# Allegro board FPGA.brd (continued)
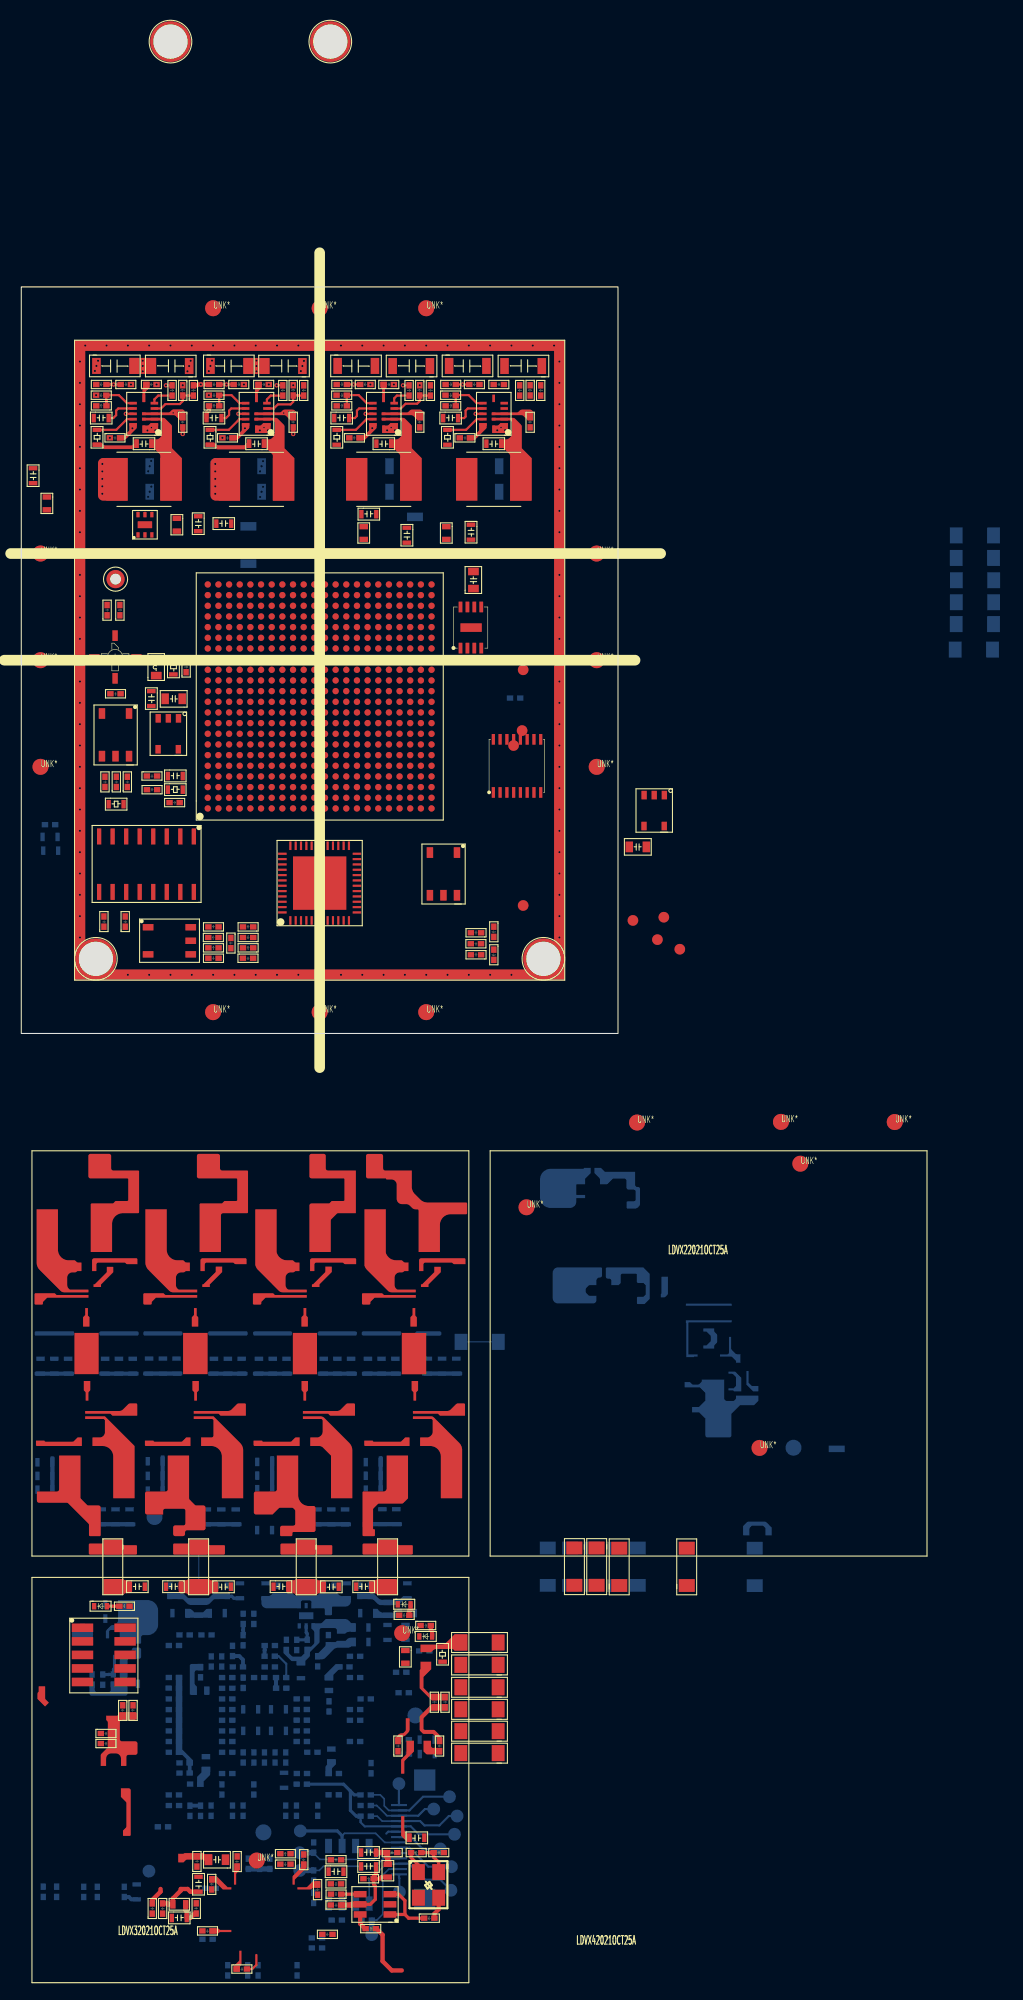
[diagram p0: board, top side]
## Copper pours and planes (outline as drawn; the poured copper is in the pictures) (continued)
Net_45 on PWR-L6: 44.05,-11.05 52.38,-11.05 53.53,-12.2 53.53,-13.75 53.9,-14.13 53.9,-15.9 54.33,-16.32 55.11,-16.32 55.98,-17.18 55.98,-20.08 53.37,-22.69 53.37,-29.51 52.36,-30.51 52.36,-32.8 52.36,-32.8 52.36,-33.86 52.21,-34.02 50.12,-34.02 49.84,-34.3 49.84,-35.03 48.98,-35.88 45.25,-35.88 44.05,-34.68
Net_46 on TOP (solid shape): 3.44,-20.26 3.73,-20.97 4.44,-21.26 4.95,-21.26 5.03,-21.28 5.09,-21.32 5.18,-21.42 5.25,-21.46 5.32,-21.47 5.64,-21.47 5.64,-22.27 5.32,-22.27 5.25,-22.29 5.18,-22.33 5.18,-22.34 5.11,-22.38 5.04,-22.4 4.8,-22.4 4.45,-22.54 4.3,-22.9 4.3,-23.57 4.34,-23.77 4.45,-23.93 4.49,-23.96 4.55,-24.01 4.63,-24.02 6.3,-24.02 6.3,-24.27 4.44,-24.27 4.44,-24.27 4.03,-24.27 3.84,-24.23 3.68,-24.12 1.73,-22.17 1.51,-21.85 1.44,-21.47 1.44,-16.49 3.44,-16.49
Net_47 on TOP (solid shape): 10.79,-21.08 10.86,-21.11 10.89,-21.18 10.89,-21.63 9.97,-21.63 9.89,-21.61 9.82,-21.57 9.79,-21.53 9.72,-21.49 9.65,-21.47 7.24,-21.47 7.1,-21.53 7.04,-21.67 7.04,-22.27 6.64,-22.27 6.64,-21.28 6.7,-21.14 6.84,-21.08
Net_50 on TOP (solid shape): 29.14,-22.37 27.98,-23.53 27.98,-23.77 27.27,-23.77 27.27,-23.52 27.34,-23.52 27.38,-23.51 27.41,-23.49 28.51,-22.4 28.53,-22.36 28.54,-22.32 28.54,-21.87 29.14,-21.87
Net_51 on TOP (solid shape): 26.74,-26.42 26.75,-26.45 26.77,-26.49 26.86,-26.58 26.88,-26.61 26.89,-26.65 26.89,-27.47 26.29,-27.47 26.29,-26.65 26.3,-26.61 26.32,-26.58 26.46,-26.43 26.48,-26.4 26.49,-26.36 26.49,-25.75 26.74,-25.75
Net_52 on TOP (solid shape): 23.96,-20.5 24.31,-21.05 24.93,-21.26 25.41,-21.26 25.48,-21.28 25.55,-21.32 25.64,-21.42 25.71,-21.46 25.78,-21.47 26.1,-21.47 26.1,-22.27 25.78,-22.27 25.71,-22.29 25.64,-22.33 25.64,-22.34 25.57,-22.38 25.5,-22.4 25.3,-22.4 24.94,-22.54 24.8,-22.9 24.8,-23.57 24.84,-23.77 24.94,-23.93 24.98,-23.96 25.04,-24.01 25.12,-24.02 26.79,-24.02 26.79,-24.27 24.93,-24.27 24.93,-24.27 24.53,-24.27 24.33,-24.23 24.17,-24.12 22.22,-22.17 22.06,-21.96 21.96,-21.71 21.96,-16.49 23.96,-16.49
Net_53 on TOP (solid shape): 31.32,-21.08 31.39,-21.11 31.42,-21.18 31.42,-21.63 30.42,-21.63 30.35,-21.61 30.28,-21.57 30.24,-21.53 30.18,-21.49 30.1,-21.47 27.7,-21.47 27.56,-21.53 27.5,-21.67 27.5,-22.27 27.1,-22.27 27.1,-21.28 27.16,-21.14 27.3,-21.08
Net_56 on TOP (solid shape): 34.21,-20.55 34.57,-21.07 35.16,-21.26 35.64,-21.26 35.72,-21.28 35.78,-21.32 35.87,-21.42 35.94,-21.46 36.02,-21.47 36.33,-21.47 36.33,-22.27 36.02,-22.27 35.94,-22.29 35.87,-22.33 35.87,-22.34 35.8,-22.38 35.73,-22.4 35.53,-22.4 35.18,-22.54 35.03,-22.9 35.03,-23.57 35.07,-23.77 35.18,-23.93 35.21,-23.96 35.28,-24.01 35.35,-24.02 37.02,-24.02 37.02,-24.27 35.17,-24.27 35.17,-24.27 34.76,-24.27 34.57,-24.23 34.41,-24.12 32.46,-22.17 32.31,-21.98 32.21,-21.76 32.21,-16.49 34.21,-16.49
Net_57 on TOP (solid shape): 39.37,-22.38 38.21,-23.54 38.21,-23.77 37.51,-23.77 37.51,-23.52 37.58,-23.52 37.62,-23.51 37.65,-23.49 38.74,-22.41 38.76,-22.38 38.77,-22.34 38.77,-21.88 39.37,-21.88
Net_58 on TOP (solid shape): 36.97,-26.42 36.98,-26.46 37,-26.49 37.09,-26.58 37.11,-26.61 37.12,-26.65 37.12,-27.47 36.52,-27.47 36.52,-26.65 36.53,-26.61 36.55,-26.58 36.69,-26.43 36.72,-26.4 36.72,-26.36 36.72,-25.75 36.97,-25.75
Net_59 on TOP (solid shape): 41.58,-21.08 41.65,-21.11 41.68,-21.18 41.68,-21.63 40.66,-21.63 40.58,-21.61 40.52,-21.57 40.48,-21.53 40.41,-21.49 40.34,-21.47 37.93,-21.47 37.79,-21.53 37.73,-21.67 37.73,-22.27 37.33,-22.27 37.33,-21.28 37.39,-21.14 37.53,-21.08
Net_61 on TOP (solid shape): 33.75,-11.29 33.89,-11.35 33.95,-11.49 33.95,-12.65 34.01,-12.79 34.15,-12.85 36.62,-12.85 36.64,-12.85 36.64,-12.87 36.64,-14.36 36.72,-14.74 36.94,-15.06 37.43,-15.56 37.76,-15.77 38.14,-15.85 41.74,-15.85 41.81,-15.88 41.84,-15.95 41.84,-16.85 41.81,-16.92 41.74,-16.95 40.29,-16.95 39.58,-17.24 39.29,-17.95 39.29,-20.49 37.29,-20.49 37.29,-16.59 37.26,-16.52 37.19,-16.49 37.02,-16.49 36.83,-16.45 36.66,-16.34 36.47,-16.14 36.3,-16.04 36.11,-16 35.73,-16 35.38,-15.85 35.23,-15.5 35.23,-14.19 35.09,-13.83 34.73,-13.69 34.32,-13.69 34.25,-13.66 34.22,-13.58 32.55,-13.58 32.41,-13.53 32.35,-13.38 32.35,-11.49 32.41,-11.35 32.55,-11.29
Net_62 on TOP (solid shape): 18.85,-22.37 17.69,-23.52 17.69,-23.77 16.99,-23.77 16.99,-23.52 17.05,-23.52 17.09,-23.51 17.12,-23.49 18.22,-22.4 18.24,-22.36 18.25,-22.32 18.25,-21.87 18.85,-21.87
Net_63 on TOP (solid shape): 13.65,-20.26 13.94,-20.97 14.65,-21.26 15.12,-21.26 15.2,-21.28 15.26,-21.32 15.36,-21.42 15.42,-21.46 15.5,-21.47 15.81,-21.47 15.81,-22.27 15.5,-22.27 15.42,-22.29 15.36,-22.33 15.35,-22.34 15.29,-22.38 15.21,-22.4 15.01,-22.4 14.66,-22.54 14.51,-22.9 14.51,-23.57 14.55,-23.77 14.66,-23.93 14.69,-23.96 14.76,-24.01 14.83,-24.02 16.5,-24.02 16.5,-24.27 14.65,-24.27 14.65,-24.27 14.24,-24.27 14.05,-24.23 13.89,-24.12 11.94,-22.17 11.72,-21.85 11.65,-21.47 11.65,-16.49 13.65,-16.49
Net_64 on TOP (solid shape): 16.45,-26.41 16.46,-26.45 16.48,-26.49 16.58,-26.58 16.6,-26.61 16.61,-26.65 16.61,-27.47 16,-27.47 16,-26.65 16.01,-26.61 16.03,-26.58 16.18,-26.44 16.2,-26.4 16.2,-26.36 16.2,-25.75 16.45,-25.75
Net_65 on TOP (solid shape): 21.03,-21.08 21.1,-21.11 21.13,-21.18 21.13,-21.63 20.14,-21.63 20.06,-21.61 20,-21.57 19.96,-21.53 19.89,-21.49 19.82,-21.47 17.41,-21.47 17.27,-21.53 17.21,-21.67 17.21,-22.27 16.82,-22.27 16.82,-21.28 16.87,-21.14 17.02,-21.08
Net_66 on TOP (solid shape): 18.45,-11.29 18.59,-11.35 18.65,-11.49 18.65,-12.65 18.7,-12.79 18.85,-12.85 21.18,-12.85 21.25,-12.88 21.28,-12.95 21.28,-16.75 21.25,-16.82 21.18,-16.85 18.93,-16.85 18.79,-16.91 18.73,-17.05 18.73,-20.49 16.73,-20.49 16.73,-16.04 16.76,-15.97 16.84,-15.94 18.79,-15.94 18.83,-15.93 18.87,-15.91 19.04,-15.73 19.07,-15.71 19.11,-15.7 20.17,-15.7 20.24,-15.67 20.27,-15.6 20.27,-13.68 20.24,-13.61 20.17,-13.58 16.68,-13.58 16.54,-13.53 16.48,-13.38 16.48,-11.49 16.54,-11.35 16.68,-11.29
Net_68 on TOP (solid shape): 8.63,-22.39 7.48,-23.53 7.48,-23.77 6.78,-23.77 6.78,-23.52 6.85,-23.52 6.89,-23.51 6.92,-23.49 8,-22.41 8.02,-22.38 8.03,-22.34 8.03,-21.89 8.63,-21.89
Net_69 on TOP (solid shape): 6.25,-26.42 6.25,-26.45 6.28,-26.49 6.37,-26.58 6.39,-26.61 6.4,-26.65 6.4,-27.47 5.8,-27.47 5.8,-26.65 5.8,-26.61 5.83,-26.58 5.97,-26.43 5.99,-26.4 6,-26.36 6,-25.75 6.25,-25.75
Net_70 on BOTTOM (solid shape): 53.43,-13.1 52.97,-13.57 52.92,-13.63 52.91,-13.71 52.91,-14.14 52.13,-14.14 52.1,-14.15 52.08,-14.19 52.08,-15.09 52.1,-15.12 52.13,-15.14 52.91,-15.14 52.91,-15.44 52.13,-15.44 52.1,-15.45 52.08,-15.49 52.08,-15.76 51.91,-16.18 51.48,-16.36 49.68,-16.36 48.97,-16.07 48.68,-15.36 48.68,-13.69 48.97,-12.98 49.68,-12.69 52.74,-12.69 52.83,-12.6 53.43,-12.6
Net_72 on PWR-L6: 73.34,-73.8 73.34,-77.18 71.14,-77.18 70.14,-76.17 67.54,-76.17 67.48,-76.11 67.48,-74.14 67.53,-74.08 71.69,-74.08 72.03,-73.75 73.29,-73.75
Net_75 on PWR-L6: 55.45,-73.8 55.95,-73.8 56.05,-73.89 56.05,-74.88 58.49,-74.88 58.49,-73.76 61.53,-73.76 61.53,-77.16 61.22,-77.48 58.41,-77.48 58.36,-77.43 58.36,-76.9 57.71,-76.25 57.25,-76.25 57.24,-76.24 56.97,-76.24 56.75,-76.02 55.59,-76.02 55.48,-75.9 55.45,-75.9 55.34,-75.79 55.34,-73.91
Net_77 on PWR-L6: 72.66,-63.18 84.95,-63.18 84.95,-74.72 84.77,-74.89 79.2,-74.89 78.69,-75.4 78.69,-75.88 77.73,-76.83 76.99,-76.83 75.47,-78.35 64.17,-78.35 62.51,-76.69 62.51,-76.58 62.06,-76.13 62.06,-75.22 62.25,-75.03 64.77,-75.03 67.61,-77.88 74.12,-77.88 74.26,-77.74 74.26,-76.2 74.19,-76.14 74.19,-72.46 74.56,-72.09 75.11,-72.09 75.23,-72.21 75.23,-72.39 78.62,-72.39 79.67,-71.34 79.67,-68.03 79.1,-67.46 72.96,-67.46 72.27,-66.77 72.27,-63.57
VCOM on TOP (solid shape): 20.66,-87.25 20.64,-87.32 20.6,-87.39 20.52,-87.47 20.52,-87.97 19.92,-87.97 19.92,-87.47 20.4,-86.99 20.44,-86.92 20.46,-86.85 20.46,-86 20.66,-86
VDPL1 on BOTTOM (solid shape): 29.5,-68.55 29.21,-68.84 29.16,-68.91 29.15,-68.98 29.15,-69.63 28.55,-69.63 28.55,-68.78 28.56,-68.71 28.61,-68.64 28.7,-68.55 28.7,-68.05 29.5,-68.05
VDPL2 on BOTTOM (solid shape): 17.07,-59.71 16.47,-59.71 16.33,-59.77 16.27,-59.91 16.27,-60.94 16.28,-61.02 16.33,-61.08 16.46,-61.22 16.46,-62.02 15.91,-62.02 15.84,-61.99 15.81,-61.92 15.81,-59.31 15.87,-59.17 16.01,-59.11 17.07,-59.11
VDPL3 on BOTTOM (solid shape): 17.73,-69.43 17.71,-69.5 17.67,-69.57 17.16,-70.08 17.12,-70.14 17.1,-70.22 17.1,-70.63 16.5,-70.63 16.5,-69.77 16.52,-69.69 16.56,-69.63 16.87,-69.32 16.91,-69.25 16.93,-69.18 16.93,-68.76 17.73,-68.76
VDPL4 on BOTTOM (solid shape): 30.14,-59.64 29.87,-59.64 29.79,-59.65 29.73,-59.69 29.33,-60.09 29.29,-60.16 29.27,-60.23 29.27,-60.65 28.47,-60.65 28.47,-60.15 29.46,-59.17 29.49,-59.14 29.53,-59.14 30.14,-59.14
N7424382 on TOP (solid shape): 40.01,-63.48 38.55,-63.48 38.47,-63.5 38.4,-63.54 37.8,-64.15 37.75,-64.21 37.74,-64.29 37.74,-65.16 37.75,-65.2 37.84,-65.28 37.91,-65.3 38.69,-65.3 38.76,-65.31 38.83,-65.36 39.5,-66.03 39.5,-66.63 39,-66.63 39,-66.07 38.99,-66.03 38.97,-66 38.7,-65.73 38.64,-65.69 38.56,-65.67 37.8,-65.67 37.72,-65.66 37.66,-65.61 37.45,-65.4 37.4,-65.34 37.39,-65.26 37.39,-64.09 37.4,-64.01 37.45,-63.95 38.46,-62.94 38.52,-62.9 38.6,-62.88 40.01,-62.88
N7424390 on TOP (solid shape): 38.47,-59.61 37.77,-60.31 37.75,-60.34 37.74,-60.38 37.74,-61.31 37.75,-61.35 37.77,-61.38 38.25,-61.86 38.32,-61.91 38.39,-61.92 40.01,-61.92 40.01,-62.52 38.51,-62.52 37.42,-61.42 37.4,-61.39 37.39,-61.35 37.39,-59.73 37.4,-59.69 37.42,-59.66 37.44,-59.64 37.46,-59.6 37.47,-59.57 37.47,-58.91 38.47,-58.91
N7424630 on TOP (solid shape): 41.85,-57.85 40.65,-57.85 40.56,-57.76 40.5,-57.72 40.42,-57.7 38.98,-57.7 38.79,-57.74 38.63,-57.85 38.47,-58.01 37.47,-58.01 37.47,-57.3 39.49,-57.3 39.68,-57.27 39.84,-57.16 40.65,-56.35 41.85,-56.35
N7424650 on TOP (solid shape): 35.94,-74.66 35.96,-74.73 36,-74.8 36.22,-75.01 36.62,-75.01 36.62,-75.81 36.22,-75.81 35.7,-75.3 35.66,-75.23 35.64,-75.16 35.64,-73.38 35.94,-73.38
N7424654 on TOP (solid shape): 36.85,-67.31 36,-68.16 35.96,-68.23 35.94,-68.3 35.94,-69.4 35.64,-69.4 35.64,-68.16 35.66,-68.08 35.7,-68.02 36.09,-67.63 36.13,-67.56 36.15,-67.49 36.15,-66.31 36.85,-66.31
N7424662 on TOP (solid shape): 38.45,-66.79 38.51,-66.93 38.65,-66.99 39.5,-66.99 39.5,-67.59 38.11,-67.59 38.03,-67.57 37.97,-67.53 37.75,-67.31 37.75,-66.31 38.45,-66.31
N7424742 on TOP (solid shape): 36.44,-65.22 36.4,-65.41 36.29,-65.57 36.09,-65.77 35.93,-65.88 35.74,-65.92 35.7,-65.93 35.6,-66.03 35.6,-66.63 35.1,-66.63 35.1,-66.03 35.37,-65.76 35.53,-65.66 35.72,-65.62 35.76,-65.62 35.83,-65.6 35.9,-65.56 36.03,-65.43 36.07,-65.36 36.09,-65.28 36.09,-64.21 36.44,-64.21
N7578654 on TOP (solid shape): 2.23,-62.32 2.25,-62.39 2.29,-62.46 2.58,-62.74 2.58,-62.75 2.23,-63.1 1.52,-62.39 1.52,-62.39 1.52,-61.91 1.54,-61.83 1.58,-61.77 1.61,-61.74 1.63,-61.71 1.64,-61.67 1.64,-61.21 2.23,-61.21
N8196950 on TOP (solid shape): 10.84,56.84 10.82,56.77 10.78,56.7 9.74,55.66 9.67,55.62 9.6,55.6 8.97,55.6 8.97,56.1 9.63,56.1 9.7,56.12 9.77,56.16 10.08,56.47 10.12,56.54 10.14,56.61 10.14,57.23 10.84,57.23
N8196998 on TOP (solid shape): 12.03,60.56 11.77,60.31 11.66,60.14 11.62,59.95 11.62,59.2 11.38,59.2 11.38,60.55 11.43,60.6 11.43,61.1 12.03,61.1
N8196998 on TOP (solid shape): 6.47,-33.42 6.46,-33.46 6.44,-33.49 6.32,-33.61 6.3,-33.64 6.29,-33.68 6.29,-34.42 6.04,-34.42 6.04,-33.68 6.03,-33.64 6.01,-33.61 5.9,-33.49 5.88,-33.46 5.87,-33.42 5.87,-32.58 6.47,-32.58
N8197008 on TOP (solid shape): 13.3,57.73 13.41,57.7 13.51,57.64 14.05,57.1 14.12,57 14.14,56.88 14.14,54.87 15.05,53.96 15.05,49.96 13.05,49.96 13.05,54.14 13.03,54.26 12.96,54.35 12.41,54.9 12.02,54.9 12.02,55.7 12.65,55.7 12.84,55.74 13,55.85 13.07,55.91 13.18,56.08 13.22,56.27 13.22,57.34 13.08,57.48 11.32,57.48 11.32,57.73
N8197008 on TOP (solid shape): 7.8,-35.9 7.84,-35.9 7.87,-35.93 10.6,-38.65 10.62,-38.68 10.63,-38.72 10.63,-43.58 8.63,-43.58 8.63,-39.68 8.33,-38.97 7.63,-38.68 6.68,-38.68 6.68,-37.88 7.35,-37.88 7.7,-37.73 7.85,-37.38 7.85,-36.29 7.84,-36.25 7.82,-36.22 7.78,-36.18 7.74,-36.15 7.71,-36.15 5.99,-36.15 5.99,-35.9
N8197018 on TOP (solid shape): 5.68,-38.68 1.48,-38.68 1.41,-38.65 1.38,-38.58 1.38,-38.18 2.18,-38.18 2.21,-38.25 2.28,-38.28 4.8,-38.28 4.87,-38.26 4.94,-38.22 5.28,-37.88 5.68,-37.88
N8197018 on TOP (solid shape): 11.02,54.9 10.61,54.9 10.59,54.88 10.49,54.82 10.38,54.79 7.83,54.79 7.72,54.82 7.62,54.88 7.5,55 6.7,55 6.7,55.4 7.5,55.4 7.68,55.22 7.78,55.16 7.89,55.13 10.29,55.13 10.41,55.16 10.5,55.22 10.62,55.33 10.62,55.7 11.02,55.7
N8197078 on TOP (solid shape): 15.88,-38.68 11.7,-38.68 11.63,-38.65 11.6,-38.58 11.6,-38.18 12.4,-38.18 12.43,-38.25 12.5,-38.28 15.03,-38.28 15.07,-38.27 15.1,-38.25 15.47,-37.88 15.88,-37.88
N8197078 on TOP (solid shape): 21.57,54.9 21.15,54.9 21.11,54.86 21.01,54.79 20.89,54.77 18.46,54.77 18.34,54.79 18.25,54.86 18.1,55 17.3,55 17.3,55.4 18.1,55.4 18.26,55.24 18.36,55.17 18.48,55.15 20.83,55.15 20.95,55.17 21.04,55.24 21.18,55.37 21.18,55.7 21.57,55.7
N8197098 on TOP (solid shape): 23.86,57.73 23.97,57.7 24.07,57.64 24.61,57.1 24.68,57 24.7,56.88 24.7,54.87 25.61,53.96 25.61,49.96 23.61,49.96 23.61,54.14 23.59,54.26 23.52,54.35 22.98,54.9 22.57,54.9 22.57,55.7 23.21,55.7 23.4,55.74 23.56,55.85 23.63,55.91 23.74,56.08 23.78,56.27 23.78,57.34 23.64,57.48 21.89,57.48 21.89,57.73
N8197098 on TOP (solid shape): 18,-35.9 18.03,-35.9 18.07,-35.93 20.53,-38.39 20.75,-38.71 20.82,-39.1 20.82,-43.58 18.82,-43.58 18.82,-39.68 18.53,-38.97 17.82,-38.68 16.88,-38.68 16.88,-37.88 17.84,-37.88 17.98,-37.82 18.04,-37.68 18.04,-36.29 18.03,-36.25 18.01,-36.22 17.97,-36.18 17.94,-36.15 17.9,-36.15 16.18,-36.15 16.18,-35.9
N8197176 on TOP (solid shape): 21.4,56.84 21.38,56.77 21.34,56.7 20.3,55.66 20.23,55.62 20.16,55.6 19.53,55.6 19.53,56.1 20.19,56.1 20.26,56.12 20.33,56.16 20.64,56.47 20.68,56.54 20.7,56.61 20.7,57.23 21.4,57.23
N8197182 on TOP (solid shape): 22.57,60.54 22.33,60.31 22.22,60.14 22.18,59.95 22.18,59.2 21.93,59.2 21.93,60.57 21.97,60.6 21.97,61.1 22.57,61.1
N8197182 on TOP (solid shape): 16.66,-33.42 16.65,-33.46 16.63,-33.49 16.51,-33.61 16.49,-33.64 16.48,-33.68 16.48,-34.42 16.23,-34.42 16.23,-33.68 16.23,-33.64 16.21,-33.61 16.09,-33.49 16.07,-33.46 16.06,-33.42 16.06,-32.58 16.66,-32.58
N8197222 on TOP (solid shape): 26.12,-38.68 21.9,-38.68 21.83,-38.65 21.8,-38.58 21.8,-38.18 22.6,-38.18 22.63,-38.25 22.7,-38.28 25.28,-38.28 25.32,-38.27 25.35,-38.25 25.72,-37.88 26.12,-37.88
N8197242 on TOP (solid shape): 35.8,57.73 35.92,57.7 36.02,57.64 36.56,57.1 36.62,57 36.65,56.88 36.65,54.87 37.55,53.96 37.55,49.96 35.55,49.96 35.55,54.14 35.53,54.26 35.47,54.35 34.92,54.9 34.52,54.9 34.52,55.7 35.15,55.7 35.35,55.74 35.51,55.85 35.58,55.91 35.68,56.08 35.72,56.27 35.72,57.34 35.59,57.48 33.83,57.48 33.83,57.73
N8197242 on TOP (solid shape): 28.07,-35.9 28.27,-35.93 28.43,-36.04 30.77,-38.39 30.99,-38.71 31.06,-39.09 31.06,-43.58 29.07,-43.58 29.07,-39.58 28.31,-38.83 28.15,-38.72 27.96,-38.68 27.12,-38.68 27.12,-37.88 27.74,-37.88 27.93,-37.84 28.09,-37.73 28.14,-37.69 28.25,-37.53 28.28,-37.33 28.28,-36.29 28.28,-36.25 28.25,-36.22 28.21,-36.18 28.18,-36.15 28.14,-36.15 26.43,-36.15 26.43,-35.9
N8197320 on TOP (solid shape): 33.34,56.84 33.33,56.77 33.29,56.7 32.24,55.66 32.18,55.62 32.1,55.6 31.48,55.6 31.48,56.1 32.13,56.1 32.21,56.12 32.27,56.16 32.59,56.47 32.63,56.54 32.65,56.61 32.65,57.23 33.34,57.23
N8197326 on TOP (solid shape): 34.31,60.6 34.13,60.42 34.13,59.2 33.88,59.2 33.88,60.43 33.71,60.6 33.71,61.1 34.31,61.1
N8197326 on TOP (solid shape): 26.91,-33.42 26.9,-33.46 26.88,-33.49 26.76,-33.61 26.74,-33.64 26.73,-33.68 26.73,-34.42 26.48,-34.42 26.48,-33.68 26.47,-33.64 26.45,-33.61 26.34,-33.49 26.31,-33.46 26.31,-33.42 26.31,-32.58 26.91,-32.58
N8197366 on TOP (solid shape): 36.43,-38.68 32.29,-38.68 32.22,-38.65 32.19,-38.58 32.19,-38.18 32.99,-38.18 33.02,-38.25 33.09,-38.28 35.59,-38.28 35.63,-38.27 35.66,-38.25 36.03,-37.88 36.43,-37.88
N8197386 on TOP (solid shape): 46.13,57.73 46.24,57.7 46.34,57.64 46.88,57.1 46.95,57 46.97,56.88 46.97,54.87 47.88,53.96 47.88,49.96 45.88,49.96 45.88,54.14 45.86,54.26 45.79,54.35 45.24,54.9 44.84,54.9 44.84,55.7 45.48,55.7 45.67,55.74 45.83,55.85 45.9,55.91 46.01,56.08 46.05,56.27 46.05,57.34 45.91,57.48 44.16,57.48 44.16,57.73
N8197386 on TOP (solid shape): 38.48,-35.9 38.6,-35.92 38.7,-35.98 41.08,-38.37 41.3,-38.69 41.37,-39.08 41.37,-43.58 39.37,-43.58 39.37,-39.68 39.08,-38.97 38.37,-38.68 37.43,-38.68 37.43,-37.88 38.07,-37.88 38.26,-37.84 38.42,-37.73 38.46,-37.69 38.57,-37.53 38.61,-37.33 38.61,-36.29 38.6,-36.25 38.58,-36.22 38.54,-36.18 38.51,-36.15 38.47,-36.15 36.76,-36.15 36.76,-35.9
N8197464 on TOP (solid shape): 43.67,56.84 43.65,56.77 43.61,56.7 42.57,55.66 42.5,55.62 42.43,55.6 41.81,55.6 41.81,56.1 42.46,56.1 42.53,56.12 42.6,56.16 42.91,56.47 42.95,56.54 42.97,56.61 42.97,57.23 43.67,57.23
N8197470 on TOP (solid shape): 37.23,-33.42 37.23,-33.46 37.2,-33.49 37.08,-33.61 37.06,-33.64 37.05,-33.68 37.05,-34.42 36.8,-34.42 36.8,-33.67 36.8,-33.64 36.78,-33.6 36.66,-33.49 36.64,-33.46 36.63,-33.42 36.63,-32.58 37.23,-32.58
1V2_FPGA on TOP (solid shape): 35.12,-51.15 35.26,-51.21 35.32,-51.35 35.32,-52.42 35.26,-52.56 35.12,-52.61 33.43,-52.61 33.39,-52.61 33.36,-52.59 33.31,-52.53 33.25,-52.49 33.17,-52.48 32.83,-52.48 32.68,-52.42 32.63,-52.28 32.63,-51.47 32.68,-51.32 32.83,-51.27 33.2,-51.27 33.27,-51.25 33.34,-51.21 33.36,-51.18 33.39,-51.16 33.43,-51.15
1V2_FPGA_PWR on BOTTOM (solid shape): 33.83,-39.63 33.9,-39.66 33.93,-39.73 33.93,-43.23 33.9,-43.3 33.83,-43.33 33.63,-43.33 33.56,-43.3 33.53,-43.23 33.53,-39.73 33.56,-39.66 33.63,-39.63
1V2_FPGA_PWR on BOTTOM (solid shape): 35.62,-45.8 35.69,-45.83 35.72,-45.9 35.72,-46.1 35.69,-46.17 35.62,-46.2 32.11,-46.2 32.04,-46.17 32.01,-46.1 32.01,-45.9 32.04,-45.83 32.11,-45.8
1V2_FPGA_PWR on PWR-L6 (solid shape): 32.79,-34.55 32.93,-34.61 32.99,-34.75 32.99,-39.38 33.05,-39.52 33.19,-39.58 36.09,-39.58 36.23,-39.64 36.29,-39.78 36.29,-43.65 36.31,-43.73 36.35,-43.79 36.75,-44.2 36.8,-44.26 36.81,-44.34 36.81,-48.66 36.75,-48.8 36.61,-48.86 32.27,-48.86 32.13,-48.8 32.07,-48.66 32.07,-36.47 32.06,-36.43 32.04,-36.4 32.02,-36.37 32,-36.34 31.99,-36.3 31.99,-35.75 32.05,-35.6 32.19,-35.55 32.52,-35.55 32.66,-35.49 32.72,-35.34 32.72,-35.25 32.66,-35.11 32.52,-35.05 32.22,-35.05 32.15,-35.02 32.12,-34.95 32.12,-34.65 32.15,-34.58 32.22,-34.55
2V5_FPGA_IN on TOP (solid shape): 27.64,-51.15 27.72,-51.17 27.78,-51.21 27.79,-51.22 27.85,-51.26 27.93,-51.28 28.5,-51.28 28.57,-51.31 28.6,-51.38 28.6,-52.29 28.54,-52.43 28.4,-52.49 27.94,-52.49 27.87,-52.5 27.8,-52.54 27.78,-52.56 27.72,-52.61 27.64,-52.62 25.8,-52.62 25.76,-52.61 25.72,-52.59 25.67,-52.53 25.6,-52.49 25.53,-52.48 25.07,-52.48 24.93,-52.42 24.87,-52.28 24.87,-51.47 24.93,-51.32 25.07,-51.27 25.56,-51.27 25.63,-51.25 25.7,-51.21 25.72,-51.18 25.76,-51.16 25.8,-51.15
2V5_FPGA_PWR on BOTTOM (solid shape): 23.64,-39.62 23.71,-39.65 23.74,-39.72 23.74,-43.2 23.71,-43.27 23.64,-43.3 23.44,-43.3 23.37,-43.27 23.34,-43.2 23.34,-39.72 23.37,-39.65 23.44,-39.62
2V5_FPGA_PWR on BOTTOM (solid shape): 30.84,-45.82 30.92,-45.85 30.95,-45.92 30.95,-46.12 30.92,-46.19 30.84,-46.22 27.34,-46.22 27.27,-46.19 27.24,-46.12 27.24,-45.92 27.27,-45.85 27.34,-45.82
2V5_FPGA_PWR on PWR-L6 (solid shape): 22.55,-34.55 22.69,-34.61 22.75,-34.75 22.75,-39.25 22.81,-39.39 22.95,-39.44 23.77,-39.44 23.84,-39.46 23.91,-39.5 23.93,-39.52 23.99,-39.56 24.07,-39.58 25.79,-39.58 25.93,-39.64 25.98,-39.78 25.98,-44.16 26.04,-44.3 26.18,-44.36 31.05,-44.36 31.2,-44.41 31.25,-44.56 31.25,-46.17 31.2,-46.32 31.05,-46.38 29.43,-46.38 29.28,-46.43 29.23,-46.58 29.23,-48.65 29.17,-48.79 29.03,-48.85 22.07,-48.85 21.93,-48.79 21.87,-48.65 21.87,-39.19 21.86,-39.15 21.84,-39.12 21.8,-39.07 21.77,-39.04 21.77,-39 21.77,-35.75 21.83,-35.6 21.97,-35.55 22.3,-35.55 22.44,-35.49 22.5,-35.34 22.5,-35.25 22.44,-35.11 22.3,-35.05 22.1,-35.05 21.96,-34.99 21.9,-34.85 21.9,-34.75 21.96,-34.61 22.1,-34.55
3V3_FPGA on TOP (solid shape): 17.58,-51.15 17.62,-51.16 17.66,-51.18 17.69,-51.22 17.76,-51.26 17.83,-51.28 18.27,-51.28 18.42,-51.33 18.48,-51.48 18.48,-52.29 18.42,-52.43 18.27,-52.49 17.85,-52.49 17.77,-52.5 17.71,-52.54 17.66,-52.6 17.62,-52.62 17.58,-52.62 15.7,-52.62 15.66,-52.62 15.63,-52.6 15.57,-52.53 15.5,-52.49 15.42,-52.48 14.98,-52.48 14.84,-52.42 14.78,-52.28 14.78,-51.47 14.84,-51.32 14.98,-51.27 15.46,-51.27 15.54,-51.25 15.6,-51.21 15.63,-51.18 15.66,-51.16 15.7,-51.15
3V3_FPGA_PWR on TOP (solid shape): 20.53,49.96 18.26,49.96 17.91,50.11 17.76,50.46 17.76,53.46 17.91,53.81 18.26,53.96 20.53,53.96
3V3_FPGA_PWR on BOTTOM (solid shape): 19.45,50.04 18.2,50.04 17.85,50.19 17.7,50.54 17.7,53.44 17.85,53.79 18.2,53.94 19.45,53.94
3V3_FPGA_PWR on BOTTOM (solid shape): 13.37,-39.56 13.44,-39.59 13.47,-39.66 13.47,-43.33 13.44,-43.4 13.37,-43.43 13.17,-43.43 13.1,-43.4 13.07,-43.33 13.07,-39.66 13.1,-39.59 13.17,-39.56
3V3_FPGA_PWR on BOTTOM (solid shape): 20.58,-45.82 20.65,-45.85 20.68,-45.92 20.68,-46.12 20.65,-46.19 20.58,-46.22 16.95,-46.22 16.88,-46.19 16.85,-46.12 16.85,-45.92 16.88,-45.85 16.95,-45.82
3V3_FPGA_PWR on PWR-L6 (solid shape): 12.28,-34.55 12.42,-34.61 12.48,-34.75 12.48,-38.99 12.5,-39.06 12.54,-39.13 12.8,-39.39 12.86,-39.43 12.94,-39.44 13.53,-39.44 13.6,-39.46 13.67,-39.5 13.69,-39.52 13.75,-39.56 13.83,-39.58 15.54,-39.58 15.69,-39.64 15.74,-39.78 15.74,-42.94 15.76,-43.01 15.8,-43.08 17.08,-44.36 17.15,-44.4 17.23,-44.42 20.79,-44.42 20.93,-44.48 20.99,-44.62 20.99,-46.17 20.93,-46.32 20.79,-46.38 19.36,-46.38 19.22,-46.43 19.16,-46.58 19.16,-48.65 19.1,-48.79 18.96,-48.85 11.8,-48.85 11.66,-48.79 11.6,-48.65 11.6,-39.19 11.59,-39.15 11.57,-39.12 11.51,-39.06 11.49,-39.03 11.48,-38.99 11.48,-35.75 11.54,-35.6 11.68,-35.55 12.01,-35.55 12.15,-35.49 12.21,-35.34 12.21,-35.25 12.15,-35.11 12.01,-35.05 11.81,-35.05 11.67,-34.99 11.61,-34.85 11.61,-34.75 11.67,-34.61 11.81,-34.55
3V3_IF on TOP (solid shape): 10.06,-70.77 10.21,-70.83 10.27,-70.97 10.27,-75.13 10.24,-75.2 10.16,-75.23 9.54,-75.23 9.54,-74.73 9.81,-74.47 9.85,-74.41 9.87,-74.33 9.87,-72.17 9.85,-72.1 9.81,-72.03 9.35,-71.57 9.35,-70.77
5V_FPGA_IN on TOP (solid shape): 9.53,-51.15 9.57,-51.16 9.6,-51.18 9.62,-51.21 9.69,-51.25 9.77,-51.27 10.19,-51.27 10.33,-51.32 10.39,-51.47 10.39,-52.28 10.33,-52.42 10.19,-52.48 9.8,-52.48 9.73,-52.49 9.66,-52.53 9.63,-52.57 9.56,-52.61 9.49,-52.62 7.84,-52.62 7.7,-52.57 7.64,-52.42 7.64,-51.35 7.7,-51.21 7.84,-51.15
5V_FPGA_PWR on TOP (solid shape): 9.97,49.96 7.7,49.96 7.35,50.11 7.2,50.46 7.2,53.46 7.35,53.81 7.7,53.96 9.97,53.96
5V_FPGA_PWR on BOTTOM (solid shape): 8.95,50.04 7.7,50.04 7.35,50.19 7.2,50.54 7.2,53.44 7.35,53.79 7.7,53.94 8.95,53.94
5V_FPGA_PWR on BOTTOM (solid shape): 3.02,-39.65 3.09,-39.68 3.12,-39.75 3.12,-43.23 3.09,-43.3 3.02,-43.33 2.82,-43.33 2.75,-43.3 2.72,-43.23 2.72,-39.75 2.75,-39.68 2.82,-39.65
5V_FPGA_PWR on BOTTOM (solid shape): 10.61,-45.82 10.68,-45.85 10.71,-45.92 10.71,-46.12 10.68,-46.19 10.61,-46.22 7.09,-46.22 7.02,-46.19 6.99,-46.12 6.99,-45.92 7.02,-45.85 7.09,-45.82
5V_FPGA_PWR on PWR-L6 (solid shape): 1.9,-34.55 1.97,-34.58 2,-34.65 2,-35.13 1.98,-35.21 1.94,-35.27 1.73,-35.49 1.69,-35.55 1.67,-35.63 1.67,-36.26 1.69,-36.34 1.73,-36.4 2.12,-36.79 2.16,-36.86 2.18,-36.93 2.18,-39.25 2.23,-39.39 2.38,-39.44 3.33,-39.44 3.41,-39.46 3.47,-39.5 3.49,-39.52 3.55,-39.56 3.63,-39.58 5.35,-39.58 5.49,-39.64 5.55,-39.78 5.55,-43.5 5.56,-43.57 5.61,-43.64 6.26,-44.3 6.33,-44.34 6.4,-44.36 10.7,-44.36 10.84,-44.41 10.9,-44.56 10.9,-48.65 10.84,-48.79 10.7,-48.85 6.54,-48.85 6.4,-48.79 6.34,-48.65 6.34,-46.07 6.32,-45.99 6.28,-45.93 4.4,-44.05 4.34,-44.01 4.26,-44 1.52,-44 1.37,-43.94 1.32,-43.8 1.32,-39.3 1.27,-39.24 1.27,-35.63 1.29,-35.55 1.33,-35.49 1.34,-35.47 1.38,-35.41 1.4,-35.33 1.4,-34.65 1.43,-34.58 1.5,-34.55
VBAT_IN on TOP (solid shape): 10.78,-34.69 10.85,-34.72 10.88,-34.79 10.88,-35.82 10.87,-35.83 10.86,-35.84 8.6,-35.84 8.56,-35.83 8.52,-35.81 8.39,-35.68 8.36,-35.65 8.32,-35.65 5.99,-35.65 5.99,-35.4 9.19,-35.4 9.39,-35.36 9.55,-35.25 10.03,-34.76 10.11,-34.71 10.21,-34.69
VBAT_IN on TOP (solid shape): 20.97,-34.69 21.04,-34.72 21.07,-34.79 21.07,-35.82 21.07,-35.83 21.05,-35.84 18.75,-35.84 18.71,-35.83 18.68,-35.81 18.54,-35.68 18.51,-35.65 18.47,-35.65 16.18,-35.65 16.18,-35.4 19.39,-35.4 19.58,-35.36 19.74,-35.25 20.23,-34.76 20.31,-34.71 20.4,-34.69
VBAT_IN on TOP (solid shape): 31.22,-34.69 31.29,-34.72 31.32,-34.79 31.32,-35.82 31.31,-35.83 31.3,-35.84 29.03,-35.84 28.99,-35.83 28.96,-35.81 28.83,-35.68 28.8,-35.65 28.76,-35.65 26.43,-35.65 26.43,-35.4 29.63,-35.4 29.82,-35.36 29.99,-35.25 30.47,-34.76 30.55,-34.71 30.65,-34.69
VBAT_IN on TOP (solid shape): 41.54,-34.69 41.61,-34.72 41.64,-34.79 41.64,-35.82 41.64,-35.83 41.62,-35.84 39.33,-35.84 39.3,-35.83 39.26,-35.81 39.13,-35.68 39.1,-35.65 39.06,-35.65 36.76,-35.65 36.76,-35.4 39.96,-35.4 40.15,-35.36 40.31,-35.25 40.8,-34.76 40.88,-34.71 40.97,-34.69
VBAT_IN on TOP (solid shape): 3.1,-24.36 3.13,-24.36 3.17,-24.39 3.27,-24.49 3.31,-24.51 3.34,-24.52 6.3,-24.52 6.3,-24.77 2.47,-24.77 2.43,-24.78 2.39,-24.8 2.06,-25.14 2.04,-25.17 2.03,-25.21 2.03,-25.31 2,-25.38 1.93,-25.41 1.34,-25.41 1.27,-25.38 1.25,-25.31 1.25,-24.46 1.27,-24.39 1.34,-24.36
VBAT_IN on TOP (solid shape): 13.3,-24.36 13.34,-24.36 13.37,-24.39 13.48,-24.49 13.51,-24.51 13.55,-24.52 16.5,-24.52 16.5,-24.77 12.67,-24.77 12.64,-24.78 12.6,-24.8 12.27,-25.14 12.24,-25.17 12.24,-25.21 12.24,-25.31 12.21,-25.38 12.14,-25.41 11.55,-25.41 11.48,-25.38 11.45,-25.31 11.45,-24.46 11.48,-24.39 11.55,-24.36
VBAT_IN on TOP (solid shape): 23.59,-24.36 23.63,-24.36 23.66,-24.39 23.77,-24.49 23.8,-24.51 23.84,-24.52 26.79,-24.52 26.79,-24.77 22.96,-24.77 22.92,-24.78 22.89,-24.8 22.55,-25.14 22.53,-25.17 22.52,-25.21 22.52,-25.31 22.49,-25.38 22.42,-25.41 21.84,-25.41 21.77,-25.38 21.74,-25.31 21.74,-24.46 21.77,-24.39 21.84,-24.36
VBAT_IN on TOP (solid shape): 33.82,-24.36 33.86,-24.36 33.89,-24.39 34,-24.49 34.03,-24.51 34.07,-24.52 37.02,-24.52 37.02,-24.77 33.19,-24.77 33.15,-24.78 33.12,-24.8 32.78,-25.14 32.76,-25.17 32.76,-25.21 32.76,-25.31 32.73,-25.38 32.66,-25.41 32.07,-25.41 32,-25.38 31.97,-25.31 31.97,-24.46 32,-24.39 32.07,-24.36
VBAT_IN on BOTTOM (solid shape): 4.85,-31.69 4.92,-31.72 4.95,-31.79 4.95,-31.99 4.92,-32.06 4.85,-32.09 1.34,-32.09 1.27,-32.06 1.25,-31.99 1.25,-31.79 1.27,-31.72 1.34,-31.69
VBAT_IN on BOTTOM (solid shape): 4.86,-27.93 4.93,-27.96 4.96,-28.03 4.96,-28.23 4.93,-28.3 4.86,-28.33 1.36,-28.33 1.29,-28.3 1.26,-28.23 1.26,-28.03 1.29,-27.96 1.36,-27.93
VBAT_IN on BOTTOM (solid shape): 10.91,-31.69 10.98,-31.72 11.01,-31.79 11.01,-31.99 10.98,-32.06 10.91,-32.09 7.41,-32.09 7.34,-32.06 7.31,-31.99 7.31,-31.79 7.34,-31.72 7.41,-31.69
VBAT_IN on BOTTOM (solid shape): 15.02,-31.69 15.09,-31.72 15.12,-31.79 15.12,-31.99 15.09,-32.06 15.02,-32.09 11.53,-32.09 11.46,-32.06 11.43,-31.99 11.43,-31.79 11.46,-31.72 11.53,-31.69
VBAT_IN on BOTTOM (solid shape): 21.13,-31.7 21.2,-31.73 21.23,-31.8 21.23,-32 21.2,-32.07 21.13,-32.1 17.63,-32.1 17.56,-32.07 17.53,-32 17.53,-31.8 17.56,-31.73 17.63,-31.7
VBAT_IN on BOTTOM (solid shape): 25.33,-31.7 25.4,-31.73 25.43,-31.8 25.43,-32 25.4,-32.07 25.33,-32.1 21.84,-32.1 21.77,-32.07 21.74,-32 21.74,-31.8 21.77,-31.73 21.84,-31.7
VBAT_IN on BOTTOM (solid shape): 31.4,-31.7 31.47,-31.73 31.5,-31.8 31.5,-32 31.47,-32.07 31.4,-32.1 27.91,-32.1 27.84,-32.07 27.82,-32 27.82,-31.8 27.84,-31.73 27.91,-31.7
VBAT_IN on BOTTOM (solid shape): 35.56,-31.7 35.63,-31.73 35.66,-31.8 35.66,-32 35.63,-32.07 35.56,-32.1 32.06,-32.1 31.99,-32.07 31.96,-32 31.96,-31.8 31.99,-31.73 32.06,-31.7
VBAT_IN on BOTTOM (solid shape): 41.28,-31.69 41.35,-31.72 41.38,-31.79 41.38,-31.99 41.35,-32.06 41.28,-32.09 37.7,-32.09 37.63,-32.06 37.6,-31.99 37.6,-31.79 37.63,-31.72 37.7,-31.69
VBAT_IN on BOTTOM (solid shape): 10.87,-27.93 10.97,-27.97 11.02,-28.08 11.02,-28.18 10.97,-28.28 10.87,-28.33 7.46,-28.33 7.36,-28.28 7.32,-28.18 7.32,-28.08 7.36,-27.97 7.46,-27.93
VBAT_IN on BOTTOM (solid shape): 14.98,-27.92 15.09,-27.96 15.13,-28.07 15.13,-28.18 15.09,-28.28 14.98,-28.33 11.6,-28.33 11.49,-28.28 11.45,-28.18 11.45,-28.07 11.49,-27.96 11.6,-27.92
VBAT_IN on BOTTOM (solid shape): 21.09,-27.92 21.2,-27.96 21.24,-28.07 21.24,-28.18 21.2,-28.28 21.09,-28.33 17.68,-28.33 17.57,-28.28 17.53,-28.18 17.53,-28.07 17.57,-27.96 17.68,-27.92
VBAT_IN on BOTTOM (solid shape): 25.27,-27.93 25.37,-27.97 25.42,-28.08 25.42,-28.18 25.37,-28.28 25.27,-28.33 21.9,-28.33 21.79,-28.28 21.75,-28.18 21.75,-28.08 21.79,-27.97 21.9,-27.93
VBAT_IN on BOTTOM (solid shape): 31.35,-27.93 31.45,-27.97 31.5,-28.08 31.5,-28.18 31.45,-28.28 31.35,-28.33 27.96,-28.33 27.85,-28.28 27.81,-28.18 27.81,-28.08 27.85,-27.97 27.96,-27.93
VBAT_IN on BOTTOM (solid shape): 35.52,-27.92 35.62,-27.96 35.66,-28.07 35.66,-28.17 35.62,-28.28 35.52,-28.32 32.1,-28.32 31.99,-28.28 31.95,-28.17 31.95,-28.07 31.99,-27.96 32.1,-27.92
VBAT_IN on PWR-L6 (solid shape): 3.1,-24.36 3.24,-24.41 3.3,-24.56 3.3,-24.57 3.24,-24.71 3.1,-24.77 2.69,-24.77 2.61,-24.79 2.55,-24.83 2.03,-25.34 1.99,-25.41 1.97,-25.49 1.97,-27.73 2.03,-27.87 2.17,-27.93 10.05,-27.93 10.19,-27.87 10.25,-27.73 10.25,-27.07 10.28,-27 10.35,-26.97 10.75,-26.97 10.82,-27 10.85,-27.07 10.85,-27.73 10.91,-27.87 11.05,-27.93 11.25,-27.93 11.39,-27.87 11.45,-27.73 11.45,-24.56 11.51,-24.41 11.65,-24.36 13.41,-24.36 13.55,-24.41 13.61,-24.56 13.61,-24.57 13.55,-24.71 13.41,-24.77 12.79,-24.77 12.72,-24.79 12.65,-24.83 12.32,-25.16 12.28,-25.22 12.26,-25.3 12.26,-27.73 12.32,-27.87 12.46,-27.93 20.27,-27.93 20.42,-27.87 20.48,-27.73 20.48,-27.07 20.5,-27 20.57,-26.97 20.98,-26.97 21.05,-27 21.07,-27.07 21.07,-27.73 21.13,-27.87 21.27,-27.93 21.54,-27.93 21.68,-27.87 21.74,-27.73 21.74,-24.56 21.8,-24.41 21.94,-24.36 23.68,-24.36 23.82,-24.41 23.88,-24.56 23.88,-24.57 23.82,-24.71 23.68,-24.77 23.04,-24.77 22.97,-24.79 22.9,-24.83 22.62,-25.11 22.58,-25.17 22.57,-25.25 22.57,-27.73 22.62,-27.87 22.77,-27.93 30.54,-27.93 30.68,-27.87 30.74,-27.73 30.74,-27.07 30.77,-27 30.84,-26.97 31.24,-26.97 31.31,-27 31.34,-27.07 31.34,-27.73 31.4,-27.87 31.54,-27.93 31.77,-27.93 31.91,-27.87 31.97,-27.73 31.97,-24.56 32.03,-24.41 32.17,-24.36 33.97,-24.36 34.11,-24.41 34.17,-24.56 34.17,-24.57 34.11,-24.71 33.97,-24.77 33.32,-24.77 33.25,-24.79 33.18,-24.83 32.85,-25.16 32.8,-25.23 32.79,-25.3 32.79,-27.73 32.85,-27.87 32.99,-27.93 40.79,-27.93 40.93,-27.87 40.99,-27.73 40.99,-27.07 41.02,-27 41.09,-26.97 41.59,-26.97 41.66,-27 41.69,-27.07 41.69,-35.64 41.63,-35.78 41.48,-35.84 39.63,-35.84 39.49,-35.78 39.43,-35.64 39.43,-35.6 39.49,-35.45 39.63,-35.4 40.07,-35.4 40.15,-35.38 40.21,-35.34 40.85,-34.7 40.89,-34.64 40.91,-34.56 40.91,-32.29 40.85,-32.15 40.7,-32.09 32.92,-32.09 32.78,-32.15 32.72,-32.29 32.72,-32.98 32.69,-33.05 32.62,-33.08 32.22,-33.08 32.15,-33.05 32.12,-32.98 32.12,-32.29 32.06,-32.15 31.92,-32.09 31.53,-32.09 31.39,-32.15 31.33,-32.29 31.33,-35.64 31.27,-35.78 31.13,-35.84 29.33,-35.84 29.19,-35.78 29.13,-35.64 29.13,-35.6 29.19,-35.45 29.33,-35.4 29.77,-35.4 29.85,-35.38 29.91,-35.34 30.49,-34.76 30.54,-34.69 30.55,-34.62 30.55,-32.29 30.49,-32.15 30.35,-32.09 22.7,-32.09 22.56,-32.15 22.5,-32.29 22.5,-32.98 22.47,-33.05 22.4,-33.08 22,-33.08 21.93,-33.05 21.9,-32.98 21.9,-32.29 21.84,-32.15 21.7,-32.09 21.27,-32.09 21.13,-32.15 21.07,-32.29 21.07,-35.64 21.01,-35.78 20.87,-35.84 19.21,-35.84 19.07,-35.78 19.01,-35.64 19.01,-35.6 19.07,-35.45 19.21,-35.4 19.49,-35.4 19.57,-35.38 19.63,-35.34 20.3,-34.67 20.35,-34.6 20.36,-34.52 20.36,-32.29 20.3,-32.15 20.16,-32.09 12.41,-32.09 12.27,-32.15 12.21,-32.29 12.21,-32.98 12.18,-33.05 12.11,-33.08 11.71,-33.08 11.64,-33.05 11.61,-32.98 11.61,-32.29 11.55,-32.15 11.41,-32.09 11.08,-32.09 10.94,-32.15 10.88,-32.29 10.88,-35.64 10.82,-35.78 10.68,-35.84 8.95,-35.84 8.88,-35.81 8.85,-35.74 8.85,-35.5 8.88,-35.43 8.95,-35.4 9,-35.4 9.04,-35.39 9.07,-35.37 9.69,-34.75 9.75,-34.71 9.83,-34.69 10.18,-34.69 10.32,-34.63 10.38,-34.49 10.38,-32.29 10.32,-32.15 10.18,-32.09 2.2,-32.09 2.06,-32.15 2,-32.29 2,-32.98 1.97,-33.05 1.9,-33.08 1.5,-33.08 1.43,-33.05 1.4,-32.98 1.4,-32.41 1.39,-32.38 1.37,-32.34 1.31,-32.28 1.28,-32.25 1.28,-32.21 1.28,-28.12 1.25,-28.09 1.25,-24.56 1.3,-24.41 1.45,-24.36
VCCINT_1V2 on BOTTOM (solid shape): 33.61,-54.15 33.77,-54.26 33.96,-54.3 34.79,-54.3 34.98,-54.26 35.14,-54.15 35.34,-53.95 35.74,-53.95 35.74,-54.78 35.74,-54.79 35.72,-54.8 33.03,-54.8 33.01,-54.79 33.01,-54.78 33.01,-53.95 33.41,-53.95
VCCIO_3V3 on BOTTOM (solid shape): 15.83,-53.95 15.91,-53.97 15.97,-54.01 16.24,-54.28 16.26,-54.29 17.04,-54.29 17.06,-54.28 17.33,-54.01 17.39,-53.97 17.47,-53.95 17.89,-53.95 17.89,-54.76 17.88,-54.78 17.87,-54.79 15.4,-54.79 15.39,-54.78 15.38,-54.76 15.38,-53.95
Net_48 on PWR-L6 (solid shape): 10.79,-11.29 10.9,-11.33 10.98,-11.42 10.98,-24.34 10.85,-24.47 10.85,-25.34 10.79,-25.48 10.65,-25.54 10.45,-25.54 10.31,-25.48 10.25,-25.34 10.25,-24.18 10.26,-24.1 10.31,-24.04 10.52,-23.83 10.56,-23.76 10.58,-23.68 10.58,-22.3 10.54,-22.11 10.43,-21.95 9.12,-20.63 8.95,-20.53 8.76,-20.49 6.72,-20.49 6.58,-20.43 6.52,-20.29 6.52,-11.49 6.58,-11.35 6.72,-11.29
Net_49 on TOP (solid shape): 8.23,-11.29 8.37,-11.35 8.43,-11.49 8.43,-12.65 8.49,-12.79 8.63,-12.85 10.95,-12.85 11.02,-12.88 11.05,-12.95 11.05,-16.75 11.02,-16.82 10.95,-16.85 9.52,-16.85 8.81,-17.14 8.52,-17.85 8.52,-20.49 6.52,-20.49 6.52,-16.04 6.55,-15.97 6.62,-15.94 8.57,-15.94 8.61,-15.93 8.64,-15.91 8.82,-15.73 8.85,-15.71 8.89,-15.7 9.94,-15.7 10.01,-15.67 10.04,-15.6 10.04,-13.68 10.01,-13.61 9.94,-13.58 6.5,-13.58 6.35,-13.53 6.29,-13.38 6.29,-11.49 6.35,-11.35 6.5,-11.29
Net_54 on TOP (solid shape): 28.37,-11.29 28.51,-11.35 28.57,-11.49 28.57,-12.65 28.63,-12.79 28.77,-12.85 31.35,-12.85 31.38,-12.86 31.4,-12.9 31.4,-16.8 31.38,-16.84 31.35,-16.85 29.74,-16.85 29.66,-16.87 29.59,-16.91 29.1,-17.41 29.06,-17.47 29.04,-17.55 29.04,-20.49 27.04,-20.49 27.04,-16.14 27.1,-16 27.24,-15.94 28.86,-15.94 28.9,-15.93 28.93,-15.91 29.11,-15.73 29.14,-15.71 29.18,-15.7 30.23,-15.7 30.3,-15.67 30.33,-15.6 30.33,-13.68 30.3,-13.61 30.23,-13.58 27.24,-13.58 27.1,-13.53 27.04,-13.38 27.04,-11.49 27.1,-11.35 27.24,-11.29
Net_55 on PWR-L6 (solid shape): 31.11,-11.29 31.26,-11.35 31.32,-11.49 31.32,-20.3 31.35,-20.49 31.46,-20.65 31.47,-20.66 31.47,-24.35 31.45,-24.43 31.41,-24.5 31.37,-24.54 31.34,-24.57 31.34,-24.61 31.34,-25.49 31.32,-25.53 31.29,-25.54 30.79,-25.54 30.75,-25.53 30.74,-25.49 30.74,-25.06 30.74,-25.04 30.75,-25.03 30.92,-24.86 31.03,-24.7 31.07,-24.5 31.07,-22.26 31.03,-22.07 30.92,-21.9 29.65,-20.63 29.49,-20.53 29.3,-20.49 27.09,-20.49 27.05,-20.47 27.04,-20.44 27.04,-11.49 27.1,-11.35 27.24,-11.29
Net_60 on PWR-L6 (solid shape): 36.57,-11.29 36.71,-11.35 36.77,-11.49 36.77,-14.43 36.8,-14.62 36.91,-14.78 37.78,-15.65 37.94,-15.76 38.14,-15.8 41.52,-15.8 41.66,-15.86 41.72,-16 41.72,-24.83 41.71,-24.91 41.66,-24.97 41.61,-25.03 41.6,-25.04 41.59,-25.06 41.59,-25.49 41.58,-25.53 41.54,-25.54 41.04,-25.54 41.01,-25.53 40.99,-25.49 40.99,-25.06 41,-25.04 41.01,-25.03 41.18,-24.86 41.28,-24.7 41.32,-24.5 41.32,-22.39 41.28,-22.19 41.18,-22.03 39.78,-20.63 39.62,-20.53 39.42,-20.49 37.34,-20.49 37.3,-20.47 37.29,-20.44 37.29,-17.98 37.25,-17.79 37.14,-17.62 36,-16.49 35.37,-15.85 35.2,-15.74 35.01,-15.7 32.22,-15.7 32.07,-15.65 32.02,-15.5 32.02,-11.49 32.07,-11.35 32.22,-11.29
Net_67 on PWR-L6 (solid shape): 21.03,-11.29 21.17,-11.35 21.23,-11.49 21.23,-24.33 21.22,-24.41 21.17,-24.47 21.14,-24.51 21.09,-24.57 21.08,-24.65 21.08,-25.44 21.05,-25.51 20.98,-25.54 20.57,-25.54 20.5,-25.51 20.48,-25.44 20.48,-24.98 20.49,-24.9 20.54,-24.84 20.75,-24.63 20.79,-24.56 20.81,-24.48 20.81,-22.29 20.77,-22.1 20.66,-21.94 19.36,-20.63 19.2,-20.53 19.01,-20.49 16.93,-20.49 16.79,-20.43 16.73,-20.29 16.73,-11.49 16.79,-11.35 16.93,-11.29
Net_71 on BOTTOM (solid shape): 54.4,-21.93 54.47,-21.96 54.5,-22.03 54.5,-22.69 54.44,-22.83 54.3,-22.89 54.27,-22.89 54.06,-22.98 53.97,-23.19 53.97,-23.6 53.37,-23.6 53.29,-23.61 53.23,-23.66 53.03,-23.85 52.99,-23.91 52.98,-23.99 52.98,-24.21 52.99,-24.28 53.03,-24.35 53.23,-24.54 53.29,-24.58 53.37,-24.6 53.97,-24.6 53.97,-25.01 53.88,-25.22 53.67,-25.31 50.37,-25.31 50.02,-25.16 49.87,-24.81 49.87,-22.43 50.02,-22.08 50.37,-21.93
N8200614 on TOP (solid shape): 9.42,-47.38 9.49,-47.41 9.52,-47.48 9.52,-47.88 9.55,-47.95 9.62,-47.98 10.76,-47.98 10.83,-48.01 10.86,-48.08 10.86,-48.75 10.83,-48.82 10.76,-48.85 6.44,-48.85 6.37,-48.82 6.34,-48.75 6.34,-47.92 6.37,-47.85 6.44,-47.83 7.55,-47.83 7.62,-47.8 7.65,-47.72 7.65,-47.48 7.68,-47.41 7.75,-47.38
N8200858 on TOP (solid shape): 17.47,-47.39 17.54,-47.42 17.57,-47.49 17.57,-47.88 17.6,-47.95 17.67,-47.98 19.01,-47.98 19.08,-48.01 19.11,-48.08 19.11,-48.75 19.08,-48.82 19.01,-48.85 14.35,-48.85 14.28,-48.82 14.25,-48.75 14.25,-47.93 14.28,-47.86 14.35,-47.83 15.61,-47.83 15.68,-47.8 15.71,-47.73 15.71,-47.49 15.74,-47.42 15.81,-47.39
N8201027 on TOP (solid shape): 27.54,-47.39 27.61,-47.42 27.64,-47.49 27.64,-47.88 27.67,-47.95 27.74,-47.98 29.08,-47.98 29.15,-48.01 29.18,-48.08 29.18,-48.75 29.15,-48.82 29.08,-48.85 24.43,-48.85 24.35,-48.82 24.32,-48.75 24.32,-47.93 24.35,-47.86 24.43,-47.83 25.68,-47.83 25.75,-47.8 25.78,-47.73 25.78,-47.49 25.81,-47.42 25.88,-47.39
N8201165 on TOP (solid shape): 35.24,-47.39 35.31,-47.42 35.34,-47.49 35.34,-47.88 35.37,-47.95 35.44,-47.98 36.64,-47.98 36.71,-48.01 36.74,-48.08 36.74,-48.75 36.71,-48.82 36.64,-48.85 32.13,-48.85 32.06,-48.82 32.03,-48.75 32.03,-47.93 32.06,-47.86 32.13,-47.83 33.38,-47.83 33.46,-47.8 33.48,-47.73 33.48,-47.49 33.51,-47.42 33.59,-47.39

Small or netless copper shapes (teardrops, artwork), in the pictures only: 3 on BOTTOM

## Text on the board
Ref Des/Silkscreen Bottom: LDVX12021OCT25A
User.Comments: ANY QUESTIONS PLEASE CALL 13522296239 YANTAI ELECTRICIAN. | ANY QUESTIONS PLEASE CALL 13522296239 (YANTAI ELECTRICIAN) | V-CUTx4 FOR SMT | V-CUTx2 FOR BREAK
Ref Des/Silkscreen Top: LDVX32021OCT25A | LDVX42021OCT25A | LDVX22021OCT25A
User.23: FIGURE | FINISHED_SIZE | 0.15 | 0.2 | 1.0 | 3.2 | TOOL_SIZE | - | ROTATION | BY LAYER: TOP to GND-L2 | ALL UNITS ARE IN MILLIMETERS | TOLERANCE_DRILL | +0.0/-0.0 | TOLERANCE_TRAVEL | PLATED | NON-PLATED | QTY | 915 | 1412 | 1 | 16 | 2344 | TOTAL HOLES:
User.24: FIGURE | FINISHED_SIZE | 0.15 | 0.2 | 1.0 | 3.2 | TOOL_SIZE | - | ROTATION | BY LAYER: GND-L2 to SIGNAL-L3 | ALL UNITS ARE IN MILLIMETERS | TOLERANCE_DRILL | +0.0/-0.0 | TOLERANCE_TRAVEL | PLATED | NON-PLATED | QTY | 730 | 1060 | 1 | 16 | 1807 | TOTAL HOLES:
User.25: FIGURE | FINISHED_SIZE | 0.15 | 0.2 | 1.0 | 3.2 | TOOL_SIZE | - | ROTATION | BY LAYER: SIGNAL-L3 to SIGNAL-L4 | ALL UNITS ARE IN MILLIMETERS | TOLERANCE_DRILL | +0.0/-0.0 | TOLERANCE_TRAVEL | PLATED | NON-PLATED | QTY | 574 | 1012 | 1 | 16 | 1603 | TOTAL HOLES:
User.26: FIGURE | FINISHED_SIZE | 0.15 | 0.2 | 1.0 | 3.2 | TOOL_SIZE | - | ROTATION | BY LAYER: SIGNAL-L4 to GND-L5 | ALL UNITS ARE IN MILLIMETERS | TOLERANCE_DRILL | +0.0/-0.0 | TOLERANCE_TRAVEL | PLATED | NON-PLATED | QTY | 450 | 986 | 1 | 16 | 1453 | TOTAL HOLES:
User.27: FIGURE | FINISHED_SIZE | 0.15 | 0.2 | 1.0 | 3.2 | TOOL_SIZE | - | ROTATION | BY LAYER: GND-L5 to PWR-L6 | ALL UNITS ARE IN MILLIMETERS | TOLERANCE_DRILL | +0.0/-0.0 | TOLERANCE_TRAVEL | PLATED | NON-PLATED | QTY | 449 | 983 | 1 | 16 | 1449 | TOTAL HOLES:
User.28: FIGURE | FINISHED_SIZE | 0.15 | 0.2 | 1.0 | 3.2 | TOOL_SIZE | - | ROTATION | BY LAYER: PWR-L6 to SIGNAL-L7 | ALL UNITS ARE IN MILLIMETERS | TOLERANCE_DRILL | +0.0/-0.0 | TOLERANCE_TRAVEL | PLATED | NON-PLATED | QTY | 403 | 806 | 1 | 16 | 1226 | TOTAL HOLES:
User.29: FIGURE | FINISHED_SIZE | 0.15 | 0.2 | 1.0 | 3.2 | TOOL_SIZE | - | ROTATION | BY LAYER: SIGNAL-L7 to SIGNAL-L8 | ALL UNITS ARE IN MILLIMETERS | TOLERANCE_DRILL | +0.0/-0.0 | TOLERANCE_TRAVEL | PLATED | NON-PLATED | QTY | 308 | 824 | 1 | 16 | 1149 | TOTAL HOLES:
